# Altium PCB edison_breakout3.PcbDoc (part 3 of 3)
Units mil, origin at the board's own origin, x right, y up, seen from the top; angles counter-clockwise.
Board outline 3154.64 x 2013.03 mil, 6 copper layers (Top Layer, GND, VCC, Signal Layer 2, GND (Mid4), Bottom Layer), stack 48.468 mil thick; 205 components, 181 nets, 884 pads, 412 vias.
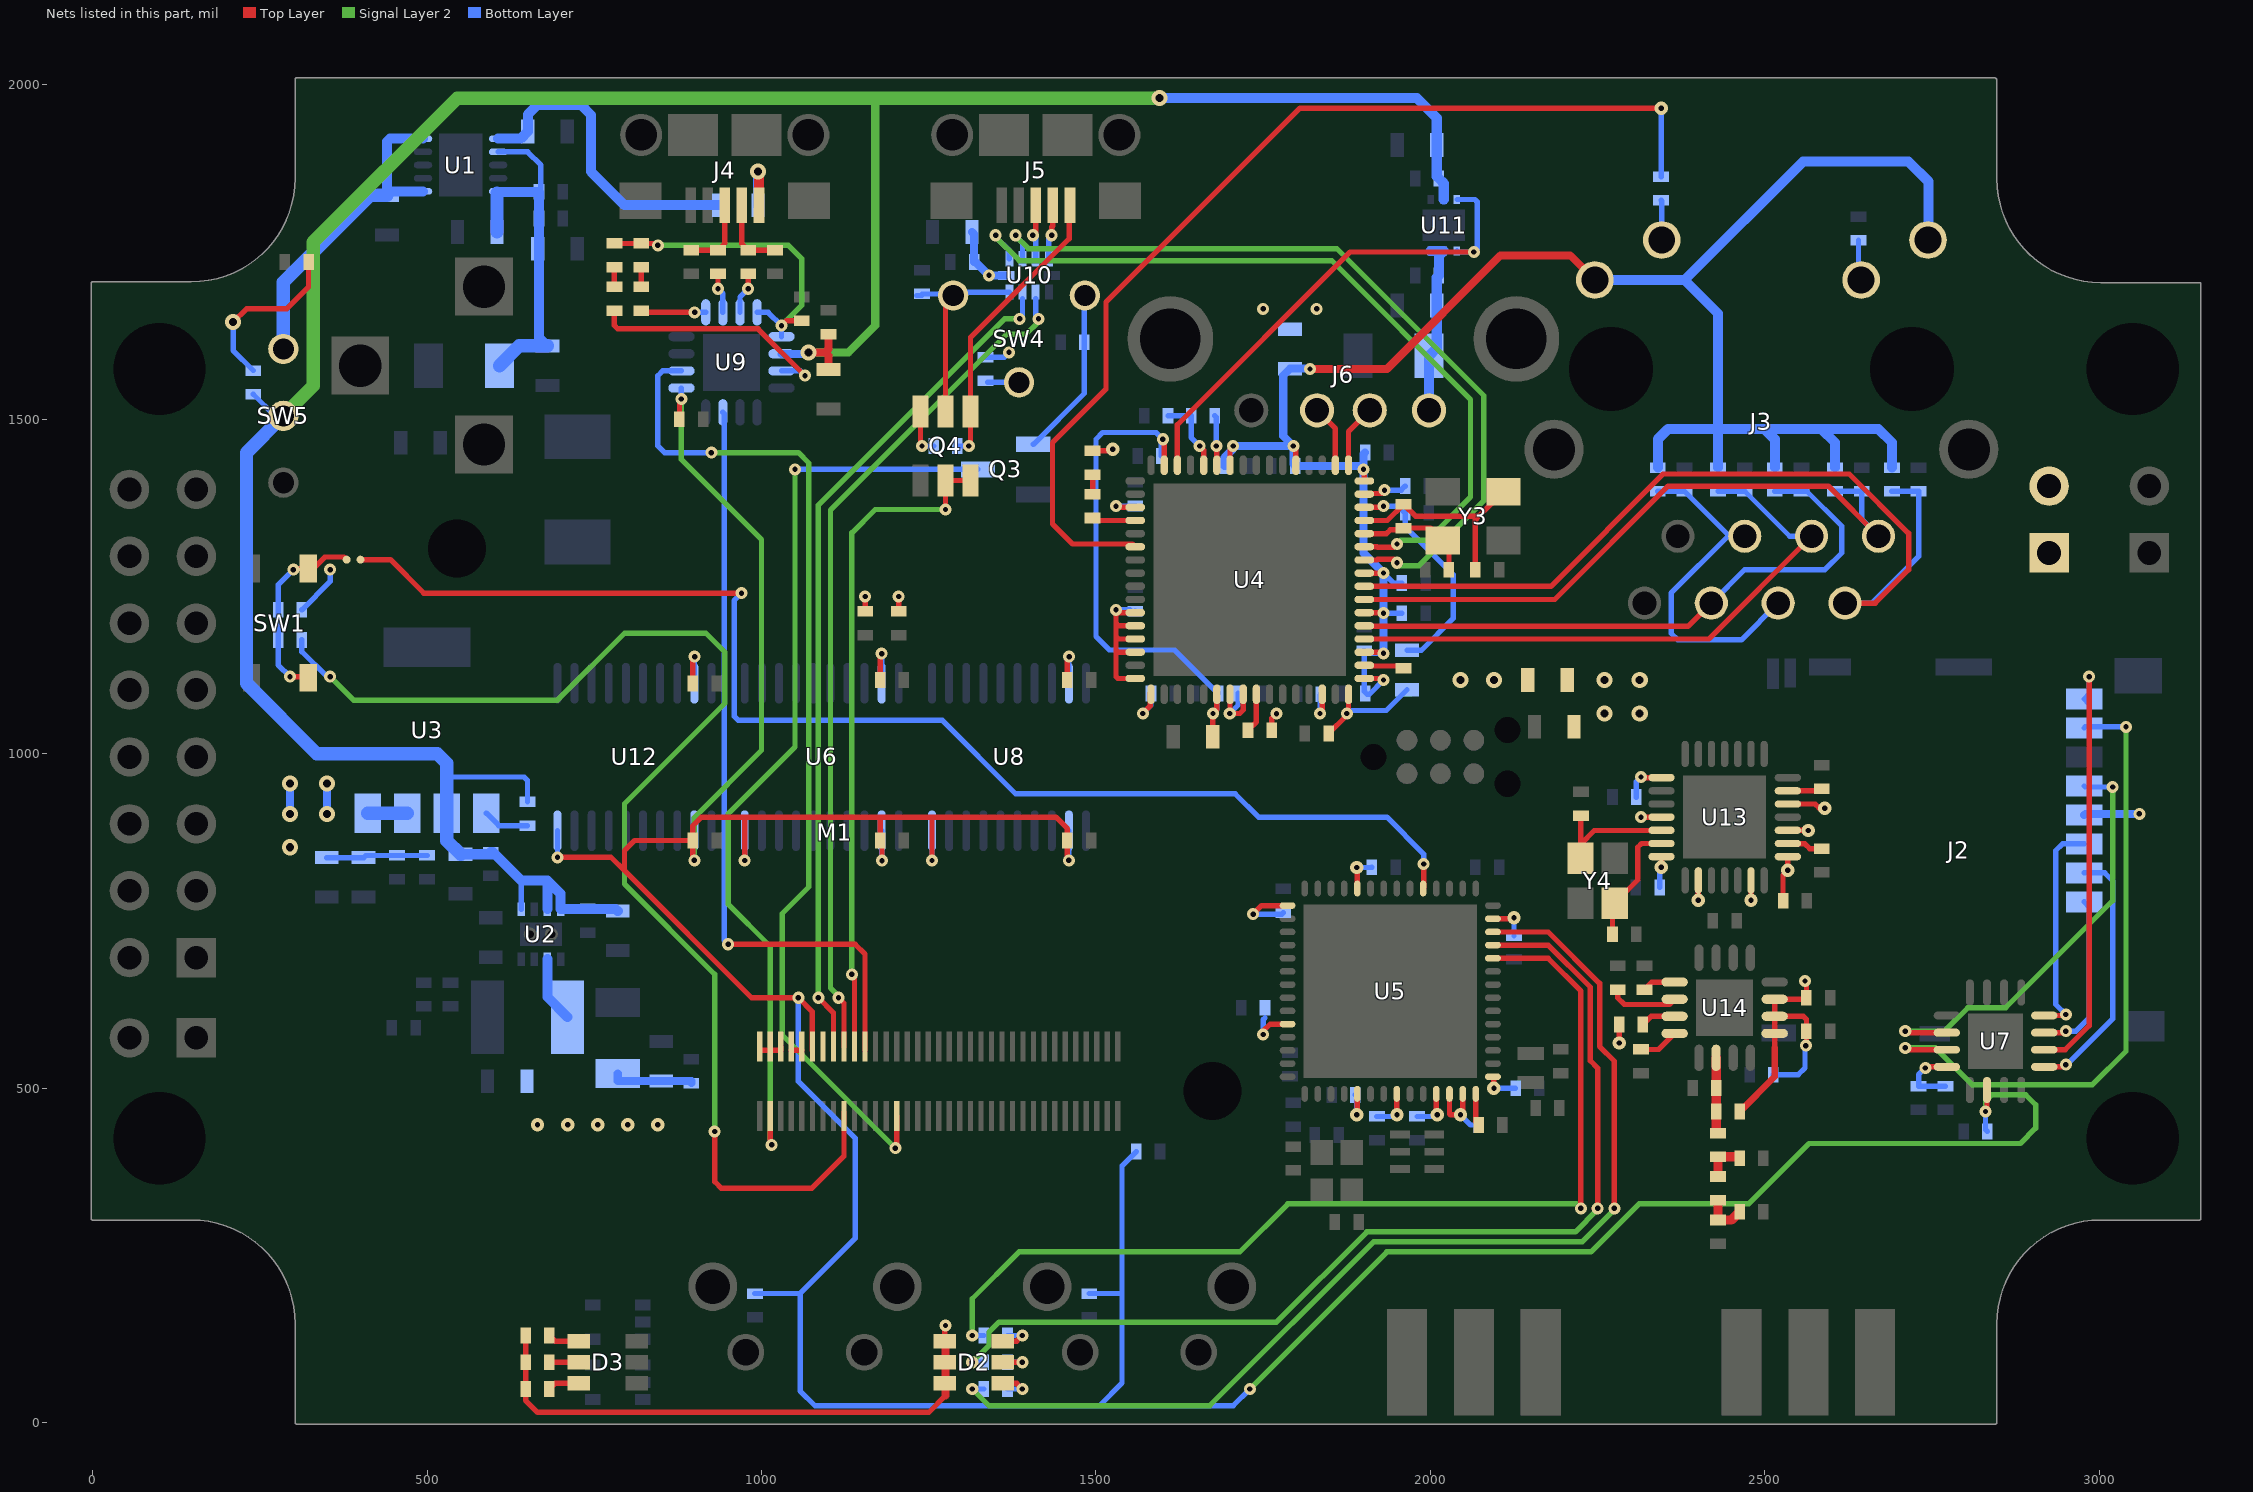
[diagram p7: the nets of this part, all layers, seen from the top]

## Via types
v1: diameter 18, hole 8, Top Layer to Bottom Layer, 319 vias
v2: diameter 20, hole 8, Top Layer to Bottom Layer, 41 vias
v3: diameter 24, hole 12, Top Layer to Bottom Layer, 34 vias
v4: diameter 22, hole 8, Top Layer to Bottom Layer, 18 vias

## Nets (pads, with @x,y where several pads share a name; then routed paths per layer and width w, separated by ;. In a path a pad name is that pad's centre, name@x,y a point inside that pad or via, vN(x,y) a via of type N, cw(c..) or ccw(c..) an arc to the next point about the centre after c; other vN are vias at no path point) (continued)
NetC59_1: C59.1 R45.1 U4.61 Y3.3 | length 331.4
  Top Layer w8: U4.61@1901.26,1348.58 1935.45,1348.58 1959.59,1372.72 R45.1@1960,1372.72 1977.72,1355 2072.72,1355 ; C59.1@2067.28,1275 2067.28,1349.57 2072.72,1355 ; Y3.3@2100.28,1391.42 Y3.3@2109.13,1391.42 2072.72,1355
NetC60_1: C60.1 R26.2 U4.12 | length 116.1
  Top Layer w8: v1(1655,1460) 1661,1454 1661,1431.36 U4.12@1661.1,1431.26
  Bottom Layer w8: C60.1@1607.72,1505 R26.2@1642.28,1505 1642.28,1472.72 v1(1655,1460)
NetC61_1: C61.1 J3.4 J3.5 R24.2 | length 527.3
  Bottom Layer w8: R24.2@2340,1392.28 C61.1@2380,1392.28 J3.5@2447.28,1325 ; J3.5@2470,1325 J3.5@2447.28,1325 ; J3.4@2520,1225 2465,1170 2370,1170 2360,1180 2360,1240 2445,1325 J3.5@2447.28,1325
NetC69_1: C69.1 J4.2 R29.1 | length 110.9
  Top Layer w8: J4.2@970.59,1819.68 970.59,1762.13 R29.1@980,1752.72 C69.1@1020,1752.72
NetC70_1: C70.1 J4.3 R32.1 | length 111.1
  Top Layer w8: C70.1@895,1752.72 R32.1@935,1752.72 945,1762.72 J4.3@945,1819.68
NetC87_1: C87.1 C90.1 L5.1 | length 66.9
  Top Layer w14: L5.1@2430,332.28 C87.1@2430,302.72 2450,302.72 C90.1@2462.28,315
NetC88_1: C88.1 L2.2 L4.2 U14.10 | length 109.7
  Top Layer w14: L4.2@2427.2,435.51 U14.10@2427.2,545.2
NetC89_1: C89.1 L4.1 L5.2 | length 59.6
  Top Layer w14: L5.2@2430,367.72 L4.1@2430,397.28 C89.1@2460,397.28
NetC91_1: C91.1 U13.27 | length 52
  Top Layer w8: U13.27@2534.49,944.68 U13.27@2534.49,944.37 2582.09,944.37 C91.1@2585,947.28
NetC92_1: C92.1 U13.12 Y4.1 | length 193
  Top Layer w8: Y4.1@2224.41,843.46 2225,844.06 Y4.1@2225,865 ; C92.1@2225,907.28 Y4.1@2225,865 ; U13.12@2345.51,885.31 2345.2,885 2245,885 Y4.1@2225,865
NetC93_1: C93.1 U13.13 Y4.3 | length 183.5
  Top Layer w8: C93.1@2272.28,730 2272.28,773.23 Y4.3@2275.59,776.54 2310,810.94 2310,860 2315.63,865.63 U13.13@2345.51,865.63
NetC96_1: C96.1 R45.2 U4.60 Y3.1 | length 171.7
  Top Layer w8: U4.60@1901.26,1328.9 1934.31,1328.9 1940,1334.58 R45.2@1960,1334.58 ; R45.2@1960,1337.28 1999.88,1337.28 Y3.1@2018.58,1318.58 2027.87,1309.29 C96.1@2027.87,1278.19
NetD1_1: D1.1 R1.2 | length 256.5
  Top Layer w8: v3(210,1645) 230,1665 290,1665 322.72,1697.72 D1.1@322.72,1735
  Bottom Layer w8: v3(210,1645) 210,1602.72 R1.2@240,1572.72
NetD2_1: D2.1 R4.1 | length 55.2
  Top Layer w8: D2.1@1360.59,58.5 1381.5,58.5 v1(1390,50)
  Bottom Layer w8: R4.1@1367.72,50 v1(1390,50)
NetD2_2: D2.2 R5.1 | length 51.7
  Top Layer w8: D2.2@1360.59,90 v1(1390,90)
  Bottom Layer w8: R5.1@1367.72,90 v1(1390,90)
NetD2_3: D2.3 R6.2 | length 55.2
  Top Layer w8: D2.3@1360.59,121.5 1381.5,121.5 v1(1390,130)
  Bottom Layer w8: R6.2@1367.72,130 v1(1390,130)
NetD3_4: D3.4 R14.1 | length 47.5
  Top Layer w8: R14.1@682.72,130 691.22,121.5 D3.4@726.69,121.5
NetD3_5: D3.5 R13.1 | length 44
  Top Layer w8: R13.1@682.72,90 D3.5@726.69,90
NetD3_6: D3.6 R12.1 | length 47.5
  Top Layer w8: R12.1@682.72,50 691.22,58.5 D3.6@726.69,58.5
NetD4_2: D4.2 R25.1 | length 29.6
  Top Layer w8: R25.1@1495,1387.72 D4.2@1495,1417.28
NetD5_1: D5.1 R30.1 | length 29.6
  Top Layer w8: D5.1@780,1697.72 R30.1@780,1727.28
NetD5_2: D5.2 U9.11 | length 376.5
  Top Layer w8: D5.2@780,1662.28 780,1640 785,1635 995,1635 v1(1065,1565)
  Bottom Layer w8: U9.11@1029.8,1572.2 1057.8,1572.2 v1(1065,1565)
NetD6_1: D6.1 R31.1 | length 29.6
  Top Layer w8: D6.1@820,1697.72 R31.1@820,1727.28
NetD6_2: D6.2 U9.5 | length 97.6
  Top Layer w8: D6.2@820,1662.28 822.48,1659.8 v1(900,1659.8)
  Bottom Layer w8: v1(900,1659.8) U9.5@916.61,1659.8
NetFB5_2: FB5.2 J4.1 | length 101
  Top Layer w15: v3(995,1870) 996.18,1868.82 J4.1@996.18,1819.68
  Bottom Layer w15: FB5.2@994.53,1820 995,1820.47 v3(995,1870)
NetJ3_10: J3.10 R27.2 | length 60.9
  Bottom Layer w8: R27.2@2640,1767.28 2640,1712.09 J3.10@2644.02,1708.07
NetJ3_11: J3.11 R28.2 | length 59.8
  Bottom Layer w8: R28.2@2345,1827.28 2345.98,1826.3 J3.11@2345.98,1767.91
NetJ5_1: J5.1 Q4.4 R35.2 | length 439.6
  Top Layer w8: v1(1310,1460) 1312.4,1462.4 Q4.4@1312.4,1511.57 1312.4,1622.4 1460,1770 1460,1818.5 J5.1@1461.18,1819.68
  Bottom Layer w8: R35.2@1292.72,1460 v1(1310,1460)
NetJ7_1: J7.1 U5.5 | length 1946.3
  Top Layer w8: J7.1@400.35,1290 445,1290 495,1240 v1(970,1240) ; U5.5@1989.21,799.33 1990,800.12 v1(1990,835)
  Bottom Layer w8: v1(970,1240) 958.94,1228.94 958.94,1056.06 965,1050 1270,1050 1380,940 1708.13,940 1743.13,905 1935,905 1990,850 v1(1990,835)
NetJ7_2: J7.2 R11.2 R15.2 SW1.1 SW1.2 | length 293.9
  Top Layer w8: v1(295,1115) 320.63,1115 SW1.2@322.32,1113.31 ; v1(300,1275) 301.69,1276.69 SW1.1@322.32,1276.69 329.82,1276.69 347.13,1294 375.65,1294 J7.2@379.65,1290
  Bottom Layer w8: v1(295,1115) 277.28,1132.72 R15.2@277.28,1170 R11.2@277.28,1215 277.28,1252.28 v1(300,1275)
NetL1_2: L1.2 U2.2 | length 99.1
  Bottom Layer w15: U2.2@679.84,692.6 679.84,636.2 L1.2@710.04,606
NetM1_3: M1.3 Q3.3 | length 1395.9
  Top Layer w8: M1.3@1013.03,458.03 1013.03,416.97 v1(1015,415)
  Signal Layer 2 w8: v1(1015,415) 1013.03,416.97 1013.03,711.97 950,775 950,910 1050,1010 v1(1050,1425)
  Bottom Layer w8: v1(1050,1425) Q3.3@1323.66,1425
NetM1_17: M1.17 R15.1 | length 1925.8
  Top Layer w8: v1(930,435) 930,360 940,350 1075,350 1123.27,398.27 M1.17@1123.27,458.03 M1.17@1123.27,463.74
  Signal Layer 2 w8: v1(355,1115) 390,1080 695,1080 795,1180 916.87,1180 945,1151.87 945,1075 795,925 795,805 930,670 v1(930,435)
  Bottom Layer w8: R15.1@312.72,1170 312.72,1152.28 350,1115 v1(355,1115)
NetM1_20: M1.20 Q4.2 Q4.3 | length 1005
  Top Layer w8: v1(1135,670) 1139.02,665.98 1139.02,650 M1.20@1139.02,561.97 ; v1(1275,1365) Q4.2@1275,1408.43 Q4.3@1312.4,1408.43
  Signal Layer 2 w8: v1(1135,670) 1134.98,1329.98 1170,1365 v1(1275,1365)
NetM1_22: M1.22 U9.15 | length 1153.3
  Top Layer w8: v1(950,715) 1140,715 1154.76,700.24 M1.22@1154.76,556.26
  Bottom Layer w8: U9.15@942.2,1510.2 944.16,1508.24 944.16,720.84 v1(950,715)
NetM1_27: M1.27 U9.2 | length 1539.1
  Top Layer w8: v1(1200,410) 1202.01,412.01 M1.27@1202.01,458.03
  Signal Layer 2 w8: v1(925,1450) 1055,1450 1070.61,1434.39 1070.61,800.61 1031,761 1031,579 v1(1200,410)
  Bottom Layer w8: U9.2@880.2,1572.2 852.2,1572.2 845,1565 845,1460 855,1450 v1(925,1450)
NetQ3_1: Q3.1 R33.1 SW4.2 | length 254.5
  Bottom Layer w8: Q3.1@1406.34,1462.4 1482.72,1538.78 R33.1@1482.72,1615 1482.72,1684.25 SW4.2@1483.43,1684.96
NetQ4_6: Q4.6 R35.1 | length 69.9
  Top Layer w8: Q4.6@1237.6,1511.57 1237.6,1462.4 v1(1240,1460)
  Bottom Layer w8: v1(1240,1460) R35.1@1257.28,1460
NetR4_2: R4.2 U5.54 | length 1647.9
  Top Layer w8: U5.54@2093.54,733.39 2176.21,733.39 2253,656.6 2253,562 2275,540 v1(2275,320)
  Signal Layer 2 w8: v1(1315,50) 1340,25 1670,25 1915,270 2226.87,270 2275,318.13 v1(2275,320)
  Bottom Layer w8: v1(1315,50) R4.2@1332.28,50
NetR5_2: R5.2 U5.53 | length 1571.2
  Top Layer w8: U5.53@2094.53,713.7 2176.1,713.7 2239,650.8 2239,541 2250,530 v1(2250,320) v1@2245,320
  Signal Layer 2 w8: v1(1315,90) 1340,115 1340,135 1355,150 1770,150 1905,285 2216.87,285 2250,318.13 v1(2250,320)
  Bottom Layer w8: v1(1315,90) R5.2@1332.28,90
NetR6_1: R6.1 U5.52 | length 1519.6
  Top Layer w8: U5.52@2094.53,694.02 2175.98,694.02 2225,645 v1(2225,320)
  Signal Layer 2 w8: v1(1315,130) 1315,185 1385,255 1715,255 1786.8,326.8 2218.2,326.8 v1(2225,320)
  Bottom Layer w8: v1(1315,130) R6.1@1332.28,130
NetR8_1: R8.1 U5.42 | length 47.3
  Top Layer w8: U5.42@2067.95,490.28 2067.95,449.13 R8.1@2072.28,444.8
NetR18_2: R18.2 U4.50 | length 63.1
  Top Layer w8: U4.50@1901.26,1132.05 1901.26,1131 1960,1131 R18.2@1960,1127.72
NetR19_2: R19.2 U4.41 | length 58.9
  Top Layer w8: R19.2@1727.28,1035 1739.84,1047.56 U4.41@1739.84,1088.74
NetR25_2: R25.2 U4.20 | length 65.7
  Top Layer w8: R25.2@1495,1352.28 1498.7,1348.58 U4.20@1558.74,1348.58 U4.20@1558.74,1349
NetR29_2: R29.2 U9.7 | length 62.5
  Top Layer w8: v1(980,1695) R29.2@980,1717.28
  Bottom Layer w8: U9.7@967.8,1659.8 967.8,1682.8 v1(980,1695)
NetR32_2: R32.2 U9.6 | length 60.5
  Top Layer w8: v1(935,1695) R32.2@935,1717.28
  Bottom Layer w8: v1(935,1695) 942.2,1687.8 U9.6@942.2,1659.8
NetR34_1: R34.1 SW4.C | length 47.3
  Bottom Layer w8: R34.1@1337.72,1555 SW4.C@1385,1555.04 SW4.C@1385,1555.04
NetR37_1: R37.1 U4.63 | length 66.6
  Top Layer w8: U4.63@1901.26,1387.95 1901.26,1389 1926.3,1389 v1(1931.3,1394)
  Bottom Layer w8: v1(1931.3,1394) 1956.28,1394 R37.1@1962.28,1400
NetR38_2: R38.2 U14.5 | length 49.8
  Top Layer w8: R38.2@2320,647.28 2331.1,658.39 U14.5@2365.2,658.39
NetR39_2: R39.2 U14.6 | length 104.9
  Top Layer w8: R39.2@2280,647.28 2280,635 2290,625 2357.4,625 U14.6@2365.2,632.8
NetR40_2: R40.2 U14.7 | length 52.5
  Top Layer w8: R40.2@2317.72,595 2329.92,607.2 U14.7@2365.2,607.2
NetR41_1: R41.1 U14.8 | length 60.1
  Top Layer w8: R41.1@2315,557.72 2341.3,557.72 U14.8@2365.2,581.61
NetR42_1: R42.1 U13.23 | length 54.2
  Top Layer w8: U13.23@2534.49,865.63 2534.49,865 2560,865 2567.28,857.72 R42.1@2585,857.72
NetR43_2: R43.2 U3.1 | length 69.2
  Bottom Layer w8: U3.1@588.58,910.98 607.28,892.28 R43.2@650,892.28
RX_N: C65.1 J3.6 R23.2 U4.53 | length 921.3
  Top Layer w8: U4.53@1901.26,1191.1 1902.17,1190.2 2385.2,1190.2 J3.6@2420,1225
  Bottom Layer w8: J3.6@2420,1225 2470,1275 2590,1275 2615,1300 2615,1340 2562.72,1392.28 C65.1@2555,1392.28 R23.2@2515,1392.28
RX_P: C64.1 J3.3 R22.2 U4.52 | length 900.2
  Top Layer w8: U4.52@1901.26,1171.42 2416.42,1171.42 J3.3@2570,1325
  Bottom Layer w8: R22.2@2430,1392.28 C64.1@2470,1392.28 2537.28,1325 J3.3@2570,1325
S\P\D\: R28.1 U4.22 | length 1555.1
  Top Layer w8: U4.22@1558.74,1309.21 1554.57,1313.39 1465,1313.39 1435,1343.39 1435,1465 1515,1545 1515,1675 1805,1965 v2(2345,1965)
  Bottom Layer w8: R28.1@2345,1862.72 v2(2345,1965)
SD_CLK: J2.5 U7.14 | length 667
  Top Layer w8: v1(2710,585) 2712.2,582.8 U7.14@2772.17,582.8
  Signal Layer 2 w8: v1(2710,585) 2768.5,585 2803.5,620 2860,620 3020,780 v1(3020,950)
  Bottom Layer w8: J2.5@2977.56,951.65 2979.21,950 v1(3020,950)
SD_CMD: J2.3 U7.8 | length 330.8
  Top Layer w8: U7.8@2917.83,608.39 2948.39,608.39 v1(2950,610)
  Bottom Layer w8: v1(2950,610) 2935,625 2935,855 2945.04,865.04 J2.3@2977.56,865.04 J2.3@2977.56,865.04
SD_DAT0: J2.7 U7.15 | length 985
  Top Layer w8: v1(2710,560) 2712.8,557.2 U7.15@2772.17,557.2
  Signal Layer 2 w8: v1(2710,560) 2755,560 2810,505 2990,505 3040,555 v1(3040,1040)
  Bottom Layer w8: J2.7@2977.56,1038.27 2979.29,1040 v1(3040,1040)
SD_DAT1: J2.8 U7.6 | length 649.7
  Top Layer w8: U7.6@2917.83,557.2 2949.07,557.2 2985,593.13 v1(2985,1115)
  Bottom Layer w8: J2.8@2984.13,1075 J2.8@2977.56,1081.57 2985,1089.02 v1(2985,1115)
SD_DAT2: J2.1 U7.7 | length 252.9
  Top Layer w8: U7.7@2917.83,582.8 2947.8,582.8 v1(2950,585)
  Bottom Layer w8: v1(2950,585) 2965,585 2985,605 2985,770.98 J2.1@2977.56,778.43
SD_DAT3: J2.2 U7.5 | length 386
  Top Layer w8: U7.5@2917.83,531.61 2946.61,531.61 v1(2950,535)
  Bottom Layer w8: v1(2950,535) 2951.87,535 3020,603.13 3020,810 3008.27,821.73 J2.2@2977.56,821.73
TX_N: C63.1 J3.2 R21.2 U4.56 | length 1366.2
  Top Layer w8: U4.56@1901.26,1250.16 2180.16,1250.16 2348,1418 2626.22,1418 2715,1329.22 2715,1275 2665,1225 J3.2@2620,1225
  Bottom Layer w8: J3.2@2620,1225 2660,1225 2730,1295 C63.1@2730,1392.28 R21.2@2690,1392.28
TX_P: C62.1 J3.1 R20.2 U4.55 | length 987.7
  Top Layer w8: U4.55@1901.26,1230.47 2185.93,1230.47 2355.46,1400 2595,1400 J3.1@2670,1325
  Bottom Layer w8: R20.2@2605,1392.28 C62.1@2645,1392.28 2645,1350 J3.1@2670,1325
USB2_PWR: C73.1 C76.1 C77.1 J6.1 U11.5 U11.6 | length 267.1
  Bottom Layer w15: J6.1@1997.95,1513.31 1997.95,1594.8 C73.1@1998.15,1595 2009.53,1606.38 C77.1@2009.53,1670 2009.53,1711.81 C76.1@2012.72,1715 2012.72,1744.33 U11.5@2020,1751.61 U11.6@2000.32,1751.61
USB2_PWR_EN: U4.14 U11.3 U11.4 | length 745.5
  Top Layer w8: U4.14@1621.73,1431.26 1621.73,1491.73 1880,1750 v1(2065,1750)
  Bottom Layer w8: U11.4@2039.68,1751.61 2041.3,1750 v1(2065,1750) 2070,1755 2070,1825 2066.61,1828.39 U11.3@2039.68,1828.39
USB_DOWNSTREAM_N: J6.2 U4.1 | length 95.2
  Top Layer w8: U4.1@1877.64,1431.26 1877.64,1481.57 J6.2@1909.37,1513.31
USB_DOWNSTREAM_P: J6.3 U4.2 | length 93.4
  Top Layer w8: J6.3@1830.63,1513.31 1857.95,1485.98 U4.2@1857.95,1431.26
USB_EDISON_N: M1.18 U10.7 | length 1274.3
  Top Layer w8: v1(1115,635) 1123.27,626.73 M1.18@1123.27,561.97
  Signal Layer 2 w8: v1(1115,635) 1115,637.53 1103,649.53 1103,1364 1366,1627 1395.53,1627 1414,1645.47 v1(1414,1650)
  Bottom Layer w8: U10.7@1409.84,1680 1409.84,1654.16 v1(1414,1650)
USB_EDISON_P: M1.16 U10.8 | length 1272.6
  Top Layer w8: v1(1085,635) 1107.52,612.48 M1.16@1107.52,561.97 M1.16@1107.52,556.26
  Signal Layer 2 w8: v1(1085,635) 1085,1371.46 1363.54,1650 v1(1386,1650)
  Bottom Layer w8: v1(1386,1650) 1390.16,1654.16 U10.8@1390.16,1680
USB_MASTER/SLAVE_SEL: Q4.5 R36.1 SW4.1 U10.9 | length 319.5
  Top Layer w8: Q4.5@1275,1511.57 1275,1673.39 SW4.1@1286.57,1684.96
  Bottom Layer w8: R36.1@1232.24,1684.96 R36.1@1240,1684.96 ; R36.1@1240,1687.28 1284.25,1687.28 SW4.1@1286.57,1684.96 1291.61,1690 U10.9@1370.47,1690
USB_SLAVE_N: J5.2 U10.4 | length 82.2
  Top Layer w8: v1(1433.69,1775) 1433.69,1787.2 1435.59,1789.11 J5.2@1435.59,1819.68
  Bottom Layer w8: U10.4@1429.53,1740 1429.53,1770.84 v1(1433.69,1775)
USB_SLAVE_P: J5.3 U10.3 | length 83.2
  Top Layer w8: v1(1405.69,1775) 1410,1779.31 J5.3@1410,1819.68
  Bottom Layer w8: v1(1405.69,1775) 1409.84,1770.84 U10.3@1409.84,1740
USB_UPSTREAM_N: U4.58 U10.2 | length 1219.4
  Top Layer w8: U4.58@1901.26,1289.53 1920.02,1289.53 1920.87,1290.37 1945,1290.37 v1(1950,1285.37)
  Signal Layer 2 w8: v1(1380,1775) 1380,1773.82 1398.82,1755 1860,1755 2080,1535 2080,1378.13 1982.87,1281 1954.37,1281 v1(1950,1285.37)
  Bottom Layer w8: v1(1380,1775) 1380,1773.82 1390.16,1763.66 U10.2@1390.16,1740
USB_UPSTREAM_P: U4.59 U10.1 | length 1192.8
  Top Layer w8: U4.59@1901.26,1309.21 1920.02,1309.21 1920.87,1308.37 1945,1308.37 v1(1950,1313.37)
  Signal Layer 2 w8: v1(1350,1775) 1350,1772.47 1385.47,1737 1852.54,1737 2060,1529.54 2060,1383.59 1995.41,1319 1955.63,1319 v1(1950,1313.37)
  Bottom Layer w8: v1(1350,1775) 1350,1772.47 1370.47,1752 U10.1@1370.47,1740
V_ORED: C10.1 SW5.3 U1.6 U1.10 | length 501.6
  Bottom Layer w15: U1.6@493.9,1840.63 446.1,1840.63 C10.1@440,1834.53 440,1915 444.37,1919.37 U1.10@493.9,1919.37
  Bottom Layer w20: SW5.3@285,1605 285,1705 415,1835 439.53,1835 C10.1@440,1834.53
VCC1.8_EDISON: C38.1 C52.1 C53.1 C54.1 C66.1 M1.12 R9.1 R10.1 R46.1 U6.2 U6.10 U7.2 U8.2 U8.10 U9.1 U12.2 U12.10 | length 6040.6
  Top Layer w8: v1(695,845) 775,845 795,825 ; C66.1@877.28,1500 877.28,1527.28 v1(880.2,1530.2) ; v1(899.57,840.43) 897.28,842.72 C54.1@897.28,870 ; v1(974.84,840.16) 974.84,904.84 975,905 ; M1.12@1076.02,556.26 M1.12@1076.02,561.97 1076.02,613.98 v1(1055,635) 985,635 795,825 ; v1(1180,840) 1180,867.28 C53.1@1177.28,870 1177.28,902.28 1180,905 ; v1(1254.84,840.16) 1254.84,904.84 1255,905 ; v1(1459.57,840.43) 1457.28,842.72 C38.1@1457.28,870 1457.28,887.72 1440,905 1255,905 ; v1(2830,465) 2832.2,467.2 U7.2@2832.2,497.17 ; 795,825 795,855 810,870 C54.1@897.28,870 ; C54.1@897.28,870 897.28,892.28 910,905 975,905 ; 975,905 1180,905 ; 1180,905 1255,905
  Signal Layer 2 w8: v1(880.2,1530.2) 880,1530 880,1440 1000,1320 1000,1005 899.57,904.57 v1(899.57,840.43) ; v1(1730,50) 1935,255 2240,255 2311.8,326.8 2475.8,326.8 2565.99,417 2882,417 2905,440 2905,475 2890,490 2840,490 2830,480 v1(2830,465)
  Bottom Layer w8: U12.10@694.84,884.76 694.84,845.16 v1(695,845) ; v1(880.2,1530.2) U9.1@880.2,1546.61 ; v1(899.57,840.43) U12.2@899.57,884.76 ; v1(974.84,840.16) U6.10@974.84,884.76 ; R9.1@990,192.72 1057.72,192.72 ; v1(1055,635) 1055,510 1140,425 1140,275 1057.72,192.72 ; U6.2@1179.57,884.76 1179.57,840.43 v1(1180,840) ; v1(1254.84,840.16) U8.10@1254.84,884.76 ; v1(1459.57,840.43) U8.2@1459.57,884.76 ; R10.1@1490,192.72 1536.72,192.72 1539,195 ; R46.1@1560.28,405 1539,383.72 1539,195 ; v1(1730,50) 1705,25 1505,25 ; v1(2830,465) 2830,437.72 C52.1@2832.72,435 ; 1057.72,192.72 1057.72,47.28 1080,25 1505,25 ; 1505,25 1539,59 1539,195
VCC3.3: C13.1 C14.1 C21.1 C22.1 C23.1 C24.1 C30.1 C31.1 C32.1 C33.1 C34.1 C35.1 C36.1 C37.1 C46.1 C55.1 C56.1 C57.1 C58.1 C71.1 C72.1 C78.1 C79.1 C82.1 C83.1 C84.1 C94.1 C95.1 D2.4 D2.5 D2.6 D4.1 FB3.2 FB6.2 J2.4 L2.1 P1.1 P1.2 R11.1 R12.2 R13.2 R14.2 R16.1 R17.1 R19.1 R26.1 R34.2 R40.1 U3.3 U3.4 U4.11 U4.19 U4.27 U4.28 U4.29 U4.30 U4.32 U4.33 U4.39 U4.40 U4.46 U5.10 U5.15 U5.24 U5.33 U5.36 U5.39 U5.40 U5.41 U5.43 U5.55 U6.19 U7.16 U8.19 U10.10 U12.19 U14.13 U14.14 U14.15 | length 3654.6
  Top Layer w8: R14.2@647.28,130 R13.2@647.28,90 R12.2@647.28,50 647.28,32.72 665,15 1250,15 1275,40 ; C79.1@897.28,1105 897.28,1142.28 v1(900,1145) ; R16.1@1155,1212.72 v1(1155,1235) ; C55.1@1177.28,1110 1177.28,1147.28 v1(1179.57,1149.57) ; R17.1@1205,1212.72 v1(1205,1235) ; D2.4@1273.98,121.5 1273.98,143.98 v1(1275,145) ; C56.1@1457.28,1110 1457.28,1142.28 v1(1460,1145) ; D4.1@1495,1452.72 1522.72,1452.72 v2(1525,1455) ; v1(1530,1370) 1531.73,1368.27 U4.19@1558.74,1368.27 ; U4.32@1558.74,1112.36 1532.64,1112.36 1530,1115 1530,1155 ; U4.30@1558.74,1151.73 1533.27,1151.73 1530,1155 ; U4.29@1558.74,1171.42 1533.58,1171.42 1530,1175 ; U4.28@1558.74,1191.1 1533.9,1191.1 1530,1195 ; U4.27@1558.74,1210.79 1530.79,1210.79 1530,1211.57 v1(1530,1215) 1530,1195 ; v1(1570,1060) 1581.1,1071.1 U4.33@1581.1,1090 ; v1(1680,1460) 1680.79,1459.21 U4.11@1680.79,1431.26 ; U4.39@1700.47,1088.74 1700.47,1060.47 v1(1700,1060) 1715,1060 1720.16,1065.16 U4.40@1720.16,1088.74 ; v1(1735,760) 1747.76,772.76 U5.15@1785.47,772.76 ; v1(1750,580) 1750,585 1760.59,595.59 U5.24@1785.47,595.59 ; R19.1@1762.72,1035 1762.72,1052.72 1769.99,1059.99 v1(1769.85,1059.85) ; v1(1835,1060) 1838.27,1063.27 U4.46@1838.27,1088.74 ; v2(1890,459.8) 1890.79,460.59 U5.33@1890.79,490.28 ; v2(1890,829.8) 1890.79,829.02 U5.10@1890.79,799.33 ; U5.36@1949.84,490.28 1949.84,459.96 v2(1950,459.8) ; U5.39@2008.9,490.28 2008.9,460.91 v2(2010,459.8) ; U5.40@2028.58,490.28 2028.58,461.22 2030,459.8 v2(2045,459.8) 2048.27,463.07 U5.41@2048.27,490.28 ; U5.43@2094.53,516.85 2094.53,500.28 v2(2095,499.8) ; U5.55@2094.53,753.07 2123.27,753.07 v2(2125,754.8) ; v2(2282.28,567.28) R40.1@2282.28,595 ; 2514.8,560.2 U14.13@2514.8,581.61 U14.14@2514.8,607.2 ; v1(2560,660) 2562.28,657.72 C82.1@2562.28,635 2560.08,632.8 U14.15@2514.8,632.8 U14.14@2514.8,607.2 ; v1(2561.46,563.33) 2562.28,564.15 C83.1@2562.28,585 2562.28,602.72 2557.8,607.2 U14.14@2514.8,607.2 ; v1(2740,530) 2741.61,531.61 U7.16@2772.17,531.61 ; 1530,1155 1530,1175 ; 1530,1175 1530,1195
  Top Layer w10: L2.1@2462.72,465 2514.8,517.09 2514.8,560.2
  Top Layer w12: D2.4@1273.98,121.5 1275,120.47 1275,40
  Bottom Layer w8: R11.1@312.72,1215 355,1257.28 v1(355,1275) ; C94.1@350,844.53 C14.1@405,844.53 408.19,847.72 C13.1@455,847.72 C95.1@500,847.72 ; U12.19@899.57,1105.24 899.57,1144.57 v1(900,1145) ; U6.19@1179.57,1105.24 v1(1179.57,1149.57) ; R34.2@1335,1592.72 1362.72,1592.72 v1(1370,1600) ; U8.19@1459.57,1105.24 1459.57,1144.57 v1(1460,1145) ; v1(1530,1215) 1550.98,1215 1555.98,1210 C34.1@1558.74,1212.76 ; v1(1530,1370) 1530.24,1370.24 C33.1@1558.74,1370.24 ; v1(1570,1060) 1582.28,1072.28 C35.1@1582.28,1090 ; R26.1@1677.72,1505 1680,1502.72 v1(1680,1460) ; v1(1700,1060) 1712.28,1072.28 C36.1@1712.28,1090 ; v1(1735,760) 1777.72,760 C22.1@1780,762.28 ; v1(1750,580) 1750,602.28 1752.72,605 ; v1(1835,1060) 1835,1087.44 C37.1@1836.3,1088.74 ; C30.1@1887.72,489.8 1890,487.52 v2(1890,459.8) ; v2(1890,829.8) 1912.24,829.8 C21.1@1912.44,830 ; C32.1@1920,457.52 1947.72,457.52 v2(1950,459.8) ; C31.1@1980,457.52 2007.72,457.52 v2(2010,459.8) ; v2(2045,459.8) 2060,444.8 C78.1@2072.28,444.8 ; v2(2095,499.8) C46.1@2127.28,499.8 ; C24.1@2125,727.72 v2(2125,754.8) ; C84.1@2514.8,522.09 C84.1@2512.72,520 2550,520 2560,530 2560,561.87 v1(2561.46,563.33) ; v1(2740,530) 2730,520 C58.1@2730,502.72 C57.1@2770,502.72
  Bottom Layer w12: v3(295,910) v3(295,955) ; v3(350,910) v3(350,955) ; C72.1@1314.53,1780 1317.72,1776.81 C71.1@1317.72,1735 ; C71.1@1320,1735 v1(1340,1715) U10.10@1366.14,1715 ; J2.4@2977.56,908.35 2979.21,910 v1(3060,910)
  Bottom Layer w20: U3.4@411.42,910.98 U3.3@470.47,910.98
  other v1: 1750,1665 1830,1665
  other v3: 295,860 2045,1110 2095,1110
VCC3.3_2520: C80.1 C81.1 C85.1 C86.1 FB6.1 U13.8 U13.11 U13.14 U13.16 U13.20 U13.22 U13.24 U13.26 | length 360.4
  Top Layer w8: v1(2315,905) U13.11@2345.51,905 ; v1(2315,965) 2315.94,964.06 U13.8@2345.51,964.06 ; v2(2345,830) 2345.51,830.51 U13.14@2345.51,845.94 ; v2(2400.63,780.63) U13.16@2400.63,810.51 ; v2(2479.37,780.63) U13.20@2479.37,810.51 ; C86.1@2527.28,780 2527.28,818.31 v2(2534.49,825.51) U13.22@2534.49,845.94 ; U13.24@2534.49,885.31 2564.69,885.31 v2(2565,885) ; U13.26@2534.49,924.68 2575.32,924.68 2581.59,918.41 v2(2589.87,918.41) v2@2586.46,915
  Bottom Layer w8: C81.1@2307.72,935 2307.72,957.72 v1(2315,965) ; C85.1@2342.72,800 v2@2342.72,827.72
  other v3: 2260,1060 2313,1060 2260,1110 2313,1110
VCC3.3_EDISON: M1.8 M1.10 | length 15.7
  Top Layer w8: M1.8@1044.53,556.26 M1.10@1060.28,556.26
VCC3.3A: C39.1 C40.1 C41.1 C42.1 C43.1 C44.1 C45.1 FB3.1 J3.9 J3.12 R20.1 R21.1 R22.1 R23.1 R24.1 U4.5 U4.10 U4.49 U4.51 U4.54 U4.57 U4.64 | length 3175.3
  Top Layer w8: U4.10@1700.47,1431.26 1700.47,1455.47 v1(1705,1460) ; v1(1795,1460) 1798.9,1456.1 U4.5@1798.9,1431.26 ; v1(1900,1425) 1901.26,1423.74 U4.64@1901.26,1407.64 ; U4.49@1901.26,1112.36 v1@1927.64,1112.36 ; U4.51@1901.26,1151.73 1928.27,1151.73 v1(1930,1150) ; U4.54@1901.26,1210.79 1929.21,1210.79 v1(1930,1210) ; U4.57@1901.26,1269.84 1929.84,1269.84 v1(1930,1270)
  Top Layer w12: v1(1820,1575) 1935,1575 2105,1745 2209.06,1745 J3.12@2245.98,1708.07 ; v1@1927.64,1112.36 v1(1930,1110)
  Bottom Layer w8: v1(1930,1110) 1908.74,1088.74 1905.35,1088.74 1901.26,1092.83 C42.1@1901.26,1153.7 1904.96,1150 v1(1930,1150) ; v1(1930,1210) C44.1@1957.28,1210 ; v1(1930,1270) 1945,1255 C45.1@1957.28,1255
  Bottom Layer w12: C40.1@1692.28,1430 1692.28,1442.59 1705,1455.3 v1(1705,1460) v1(1795,1460) ; v1(1820,1575) 1819.53,1575.47 FB3.1@1790,1575.47 1780,1565.47 1780,1475 v1(1795,1460) ; C43.1@1902.28,1450 1900,1447.72 v1(1900,1425) ; v1(1930,1150) v1(1930,1210) v1(1930,1270) 1900,1300 v1(1900,1425) ; v1(1795,1460) 1795,1432.72 C39.1@1797.72,1430 1895,1430 v1(1900,1425)
  Bottom Layer w15: J3.12@2245.98,1708.07 2380,1708.07 ; R24.1@2340,1427.72 2340,1470 2355,1485 2430,1485 ; R22.1@2430,1427.72 2430,1485 ; R23.1@2515,1427.72 2515,1470 2500,1485 ; R20.1@2605,1427.72 2605,1465 2585,1485 ; R21.1@2690,1427.72 2690,1465 2670,1485 2585,1485 ; J3.9@2744.02,1767.91 2745,1768.9 2745,1855 2715,1885 2556.93,1885 2380,1708.07 ; 2380,1708.07 2430,1658.07 2430,1485 ; 2430,1485 2500,1485 ; 2500,1485 2585,1485
VDD1.8_ETH_CORE: C25.1 C26.1 C27.1 U4.15 U4.38 | length 783.8
  Top Layer w8: v1(1600,1470) 1602.05,1467.95 U4.15@1602.05,1431.26 ; C25.1@1674.53,1025 1674.53,1059.53 v1(1675,1060) 1680.79,1065.79 U4.38@1680.79,1088.74
  Bottom Layer w8: C26.1@1597.72,1445 1597.72,1467.72 v1(1600,1470) 1590,1480 1510,1480 1500,1470 1500,1175 1520,1155 1617.72,1155 C27.1@1682.72,1090 ; v1(1675,1060) 1681,1066 C27.1@1681,1088.28
VDD1.8_ETH_ETH_PLL: C29.1 FB4.1 U4.48 | length 179.1
  Top Layer w8: C29.1@1847.72,1030 1875,1057.28 v1(1875,1060) 1877.64,1062.64 U4.48@1877.64,1088.74
  Bottom Layer w8: v1@1872.72,1057.72 v1(1875,1060) 1879.5,1064.5 1934.03,1064.5 FB4.1@1965,1095.47
VDD1.8_ETH_USB_PLL: C28.1 FB4.2 U4.62 | length 342.2
  Top Layer w8: U4.62@1901.26,1368.27 1928.27,1368.27 v1(1930,1370)
  Bottom Layer w8: v1(1930,1370) 1952.28,1370 C28.1@1962.28,1360 1962.28,1339.59 2034,1267.87 2034,1202.13 1986.4,1154.53 FB4.2@1965,1154.53
VEXT_IN: C9.1 C16.1 C17.1 C18.1 FB2.1 R44.1 U1.2 U1.5 | length 551.4
  Bottom Layer w8: U1.2@606.1,1899.69 650.31,1899.69 670,1880 670,1842.72 R44.1@667.28,1840
  Bottom Layer w15: U1.5@606.73,1840 R44.1@667.28,1840 C18.1@667.28,1800 667.28,1622.24 FB2.1@680,1609.53
  Bottom Layer w20: C9.1@604.53,1780 U1.5@604.53,1837.82 ; C16.1@608.15,1580 637.68,1609.53 FB2.1@680,1609.53
VFTDI: C97.1 R30.2 R31.2 U9.8 U9.9 | length 496.5
  Top Layer w8: R30.2@780,1762.72 R31.2@820,1762.72 842.28,1762.72 v1(845,1760) ; v1(1029.8,1639.8) 1037.28,1647.28 C97.1@1060,1647.28
  Signal Layer 2 w8: v1(845,1760) 1040,1760 1060,1740 1060,1670 v1(1029.8,1639.8)
  Bottom Layer w8: U9.8@993.39,1659.8 1009.8,1659.8 v1(1029.8,1639.8) U9.9@1029.8,1623.39
VSELECTED: C7.1 C8.1 C11.1 C12.1 C67.1 C68.1 C74.1 C75.1 R1.1 R43.1 SW5.1 U2.5 U2.7 U2.8 U3.2 U9.10 U11.2 | length 4274.4
  Top Layer w12: v3(1070,1600) 1095,1600 ; C67.1@1100,1574.53 1100,1595 1095,1600 ; C68.1@1100,1627.28 1100,1605 1095,1600
  Signal Layer 2 w12: v3(1070,1600) 1130,1600 1170,1640 1170,1975 1165,1980
  Signal Layer 2 w20: SW5.1@285,1505 330,1550 330,1765 545,1980 1165,1980 v3(1595,1980)
  Bottom Layer w8: R1.1@240,1537.28 272.28,1505 SW5.1@285,1505 ; 529.53,965 645,965 650,960 R43.1@650,927.72 ; U2.5@640.47,767.4 640.47,810
  Bottom Layer w12: U9.10@1029.8,1597.8 1067.8,1597.8 v3(1070,1600)
  Bottom Layer w15: C12.1@550,849.53 C11.1@601.53,849.53 ; C11.1@595,852.72 598.34,852.72 C11.1@601.53,849.53 ; U2.7@679.84,767.4 679.84,809.84 680,810 ; C8.1@785,764.53 781.81,767.72 C7.1@740,767.72 739.69,767.4 U2.8@699.53,767.4 699.53,790.47 680,810 ; v3(1595,1980) 1980,1980 2009.53,1950.47 C75.1@2009.53,1910 2009.53,1863.19 C74.1@2012.72,1860 2020,1852.72 U11.2@2020,1828.39 ; C11.1@601.53,849.53 640.47,810.59 640.47,810 680,810
  Bottom Layer w20: SW5.1@285,1505 230,1450 230,1105 335,1000 515,1000 529.53,985.47 529.53,965 U3.2@529.53,910.98 529.53,870 C12.1@550,849.53
VSYS: C4.1 C5.1 C6.1 FB1.1 M1.2 M1.4 M1.6 M1.14 | length 161.8
  Top Layer w8: M1.2@997.28,556.26 1028.78,556.26 M1.6@1028.78,561.97
  Bottom Layer w12: C4.1@785,521.85 785,510.47 C5.1@850,510.47 895,510.47 C6.1@895,507.28
  other v2: 665,445 710,445 755,445 800,445 845,445
VUSB_IN: C1.1 FB5.1 U1.1 | length 477.2
  Bottom Layer w15: U1.1@606.1,1919.37 639.84,1919.37 C1.1@650.47,1930 650.47,1955.47 665,1970 730,1970 745,1955 745,1870 795,1820 FB5.1@935.47,1820
pads on no net: J3. J3.7 J4.4 J5.4 M1. M1.7 M1.19 M1.21 M1.23 M1.29 M1.31 M1.36 M1.38 M1.40 M1.49 M1.52 M1.67 M1.69 P4. P4.1 P6. P6.1 Q2.2 SW5.2 SW6. SW7. U1.7 U1.8 U1.9 U2.6 U4.3 U4.4 U4.6 U4.7 U4.8 U4.9 U4.13 U4.16 U4.17 U4.18 U4.23 U4.24 U4.25 U4.26 U4.31 U4.35 U4.36 U4.37 U4.42 U4.43 U4.45 U4.47 U5.2 U5.3 U5.4 U5.6 U5.7 U5.25 U5.26 U5.27 U5.29 U5.30 U5.31 U5.49 U5.50 U5.51 U9.4 U9.12 U9.14 U9.16 U13.15 U13.18 U13.21 Y4.2 Y4.4

## Polygon pours and split planes (outlines as drawn)
GND on Bottom Layer "Keep-Out Layer-No Net" (solid, pour order 26): 0.5,305.12 148.14,305.12 cw(c148.14,150.15) 303.1,150.15 303.1,2.51 ccw(c305.62,2.51) 305.62,0 2844.99,0 ccw(c2844.99,2.51) 2847.5,2.51 2847.5,150.15 cw(c3002.47,150.15) 3002.47,305.12 3150.11,305.12 ccw(c3150.11,307.63) 3152.62,307.63 3152.62,1704.29 ccw(c3150.11,1704.29) 3150.11,1706.8 3002.47,1706.8 cw(c3002.47,1861.77) 2847.5,1861.77 2847.5,2009.4 ccw(c2844.99,2009.4) 2846.12,2011.65 ccw(c2843.88,2010.51) 2843.88,2013.03 305.62,2013.03 ccw(c305.62,2010.51) 303.1,2010.51 303.1,1862.88 cw(c148.14,1862.88) 148.14,1707.91 0.5,1707.91 ccw(c0.5,1705.4) -2.01,1705.4 -2.01,307.63 ccw(c0.5,307.63)
VSYS on Bottom Layer "Keep-Out Layer-No Net" (solid, pour order 22): 620,550 620,410 945,410 935,410 935,550
VCC3.3 on Bottom Layer "Bottom Layer-No Net" (solid, pour order 2): 1860,1605 1860,1700 1725,1700 1725,1605
VCC3.3 on Bottom Layer "Bottom Layer-No Net 1" (solid, pour order 10): 520,820 520,960 250,960 250,820
GND on Top Layer "Keep-Out Layer-No Net" (solid, pour order 28): 0.5,305.12 148.14,305.12 cw(c148.14,150.15) 303.1,150.15 303.1,2.51 ccw(c305.62,2.51) 305.62,0 2844.99,0 ccw(c2844.99,2.51) 2847.5,2.51 2847.5,150.15 cw(c3002.47,150.15) 3002.47,305.12 3150.11,305.12 ccw(c3150.11,307.63) 3152.62,307.63 3152.62,1704.29 ccw(c3150.11,1704.29) 3150.11,1706.8 3002.47,1706.8 cw(c3002.47,1861.77) 2847.5,1861.77 2847.5,2009.4 ccw(c2844.99,2009.4) 2846.12,2011.65 ccw(c2843.88,2010.51) 2843.88,2013.03 305.62,2013.03 ccw(c305.62,2010.51) 303.1,2010.51 303.1,1862.88 cw(c148.14,1862.88) 148.14,1707.91 0.5,1707.91 ccw(c0.5,1705.4) -2.01,1705.4 -2.01,307.63 ccw(c0.5,307.63)
VSYS on Top Layer "Keep-Out Layer-No Net" (solid, pour order 20): 1100,620 1100,410 735,410 625,410 625,550 935,550 935,620
VCC3.3_2520 on Top Layer "Bottom Layer-No Net" (solid, pour order 6): 2175,1155 2175,1000 2325,1000 2325,1155
VCC3.3 on Top Layer "Bottom Layer-No Net" (solid, pour order 8): 2015,1070 2015,1150 2165,1150 2165,1075 2165,1070
GND on GND (Mid4) "Keep-Out Layer-No Net" (solid, pour order 14): 0,305.12 147.64,305.12 cw(c147.64,150.15) 302.6,150.15 302.6,2.51 ccw(c305.12,2.51) 305.12,0 2844.49,0 ccw(c2844.49,2.51) 2847,2.51 2847,150.15 cw(c3001.97,150.15) 3001.97,305.12 3149.61,305.12 ccw(c3149.61,307.63) 3152.12,307.63 3152.12,1704.29 ccw(c3149.61,1704.29) 3149.61,1706.8 3001.97,1706.8 cw(c3001.97,1861.77) 2847,1861.77 2847,2009.4 ccw(c2844.49,2009.4) 2845.62,2011.65 ccw(c2843.38,2010.51) 2843.38,2013.03 305.12,2013.03 ccw(c305.12,2010.51) 302.6,2010.51 302.6,1862.88 cw(c147.64,1862.88) 147.64,1707.91 0,1707.91 ccw(c0,1705.4) -2.51,1705.4 -2.51,307.63 ccw(c0,307.63)
VCC3.3 on VCC "Keep-Out Layer-No Net" (solid, pour order 18): 0.5,305.12 148.14,305.12 cw(c148.14,150.15) 303.1,150.15 303.1,2.51 ccw(c305.62,2.51) 305.62,0 2844.99,0 ccw(c2844.99,2.51) 2847.5,2.51 2847.5,150.15 cw(c3002.47,150.15) 3002.47,305.12 3150.11,305.12 ccw(c3150.11,307.63) 3152.62,307.63 3152.62,1704.29 ccw(c3150.11,1704.29) 3150.11,1706.8 3002.47,1706.8 cw(c3002.47,1861.77) 2847.5,1861.77 2847.5,2009.4 ccw(c2844.99,2009.4) 2846.12,2011.65 ccw(c2843.88,2010.51) 2843.88,2013.03 305.62,2013.03 ccw(c305.62,2010.51) 303.1,2010.51 303.1,1862.88 cw(c148.14,1862.88) 148.14,1707.91 0.5,1707.91 ccw(c0.5,1705.4) -2.01,1705.4 -2.01,307.63 ccw(c0.5,307.63)
VCC3.3_2520 on VCC "Keep-Out Layer-No Net" (solid, pour order 16): 2235,1140 2605,1140 2605,830 2605,760 2235,760
GND on GND "Keep-Out Layer-No Net" (solid, pour order 24): 2.51,303.78 150.15,303.78 cw(c150.15,148.82) 305.12,148.82 305.12,1.18 ccw(c307.63,1.18) 307.63,-1.33 2847,-1.33 ccw(c2847,1.18) 2849.52,1.18 2849.52,148.82 cw(c3004.48,148.82) 3004.48,303.78 3152.12,303.78 ccw(c3152.12,306.3) 3154.64,306.3 3154.64,1702.95 ccw(c3152.12,1702.95) 3152.12,1705.47 3004.48,1705.47 cw(c3004.48,1860.43) 2849.52,1860.43 2849.52,2008.07 ccw(c2847,2008.07) 2848.14,2010.32 ccw(c2845.89,2009.18) 2845.89,2011.7 307.63,2011.7 ccw(c307.63,2009.18) 305.12,2009.18 305.12,1861.54 cw(c150.15,1861.54) 150.15,1706.58 2.51,1706.58 ccw(c2.51,1704.06) 0,1704.06 0,306.3 ccw(c2.51,306.3)

## Keep-outs
Keep-Out Layer:
  lines w5: 2843.38,2008 305.12,2008 305.12,1860.36 cw(c147.64,1860.36) 147.64,1702.88 0,1702.88 0,305.12 147.64,305.12 cw(c147.64,147.64) 305.12,147.64 305.12,0 2844.49,0 2844.49,147.64 cw(c3001.97,147.64) 3001.97,305.12 3149.61,305.12 3149.61,1701.77 3001.97,1701.77 cw(c3001.97,1859.25) 2844.49,1859.25 2844.49,2006.89

## Other copper
Top Layer:
  pour cut-out: 0,580 600,580 600,395 935,395 935,0 0,0
GND:
  pour cut-out: 0,580 600,580 600,395 935,395 935,0 0,0
VCC:
  pour cut-out: 0,580 600,580 600,395 935,395 935,0 0,0
GND (Mid4):
  pour cut-out: 0,580 600,580 600,395 935,395 935,0 0,0
Bottom Layer:
  pour cut-out: 0,580 600,580 600,395 935,395 935,0 0,0

## Silkscreen, mask and mechanical layers (free items; w line width, h text height)
Top Overlay:
  region: 2704.08,845.42 2826.98,845.42 2826.98,911.04 2801.99,911.04 2801.99,970.41 2862.92,885 2867.08,885 2929.05,970.41 2929.05,911.04 2904.06,911.04 2904.06,845.42 3026.96,845.42 3026.96,911.04 3001.96,911.04 3001.96,1009.98 3026.96,1009.98 3026.96,1075.6 2929.57,1075.6 2867.08,989.15 2863.96,989.15 2801.47,1075.6 2704.08,1075.6 2704.08,1009.98 2728.04,1009.98 2728.04,911.04 2704.08,911.04
  text "VCC3.3" at 2850,1205 h30
  text "GND" at 3040,1205 h30
  text "Intel Edison" at 2695,800 h30
  text "Kuo, 01 '16" at 2715,750 h30
  text "GND" at 220,560 h30
Bottom Overlay:
  text "Serial" at 1020,1945 h30
  text "Slave" at 1480,1945 h30
Mechanical 13:
  lines w10: -300,-5 3500,-5 ; -300,2010 3500,2010
Mechanical 15:
  lines w30: -15,292.5 150,292.5 cw(c150,150) 292.5,150 292.5,0 ; -15,1715 150,1715 ; -13,292.5 -13,1715 ; 150,1715.5 ccw(c150,1858) 292.5,1858 292.5,2010 ; 2857.5,0 2857.5,150 cw(c3000,150) 3000,292.5 ; 2857.5,2020 2857.5,1857.5 ccw(c3000,1857.5) 3000,1715 3160,1715 3160,292.5 3002.5,292.5